# Altium PCB PCB3.PcbDoc (part 1 of 5)
Units mil, origin at the board's own origin, x right, y up, seen from the top; angles counter-clockwise.
Board outline 9836.17 x 5490 mil, 4 copper layers (Top Layer, Int1 (GND), Int2 (PWR), Bottom Layer), stack 53.912 mil thick; 236 components, 108 nets, 2793 pads, 569 vias.
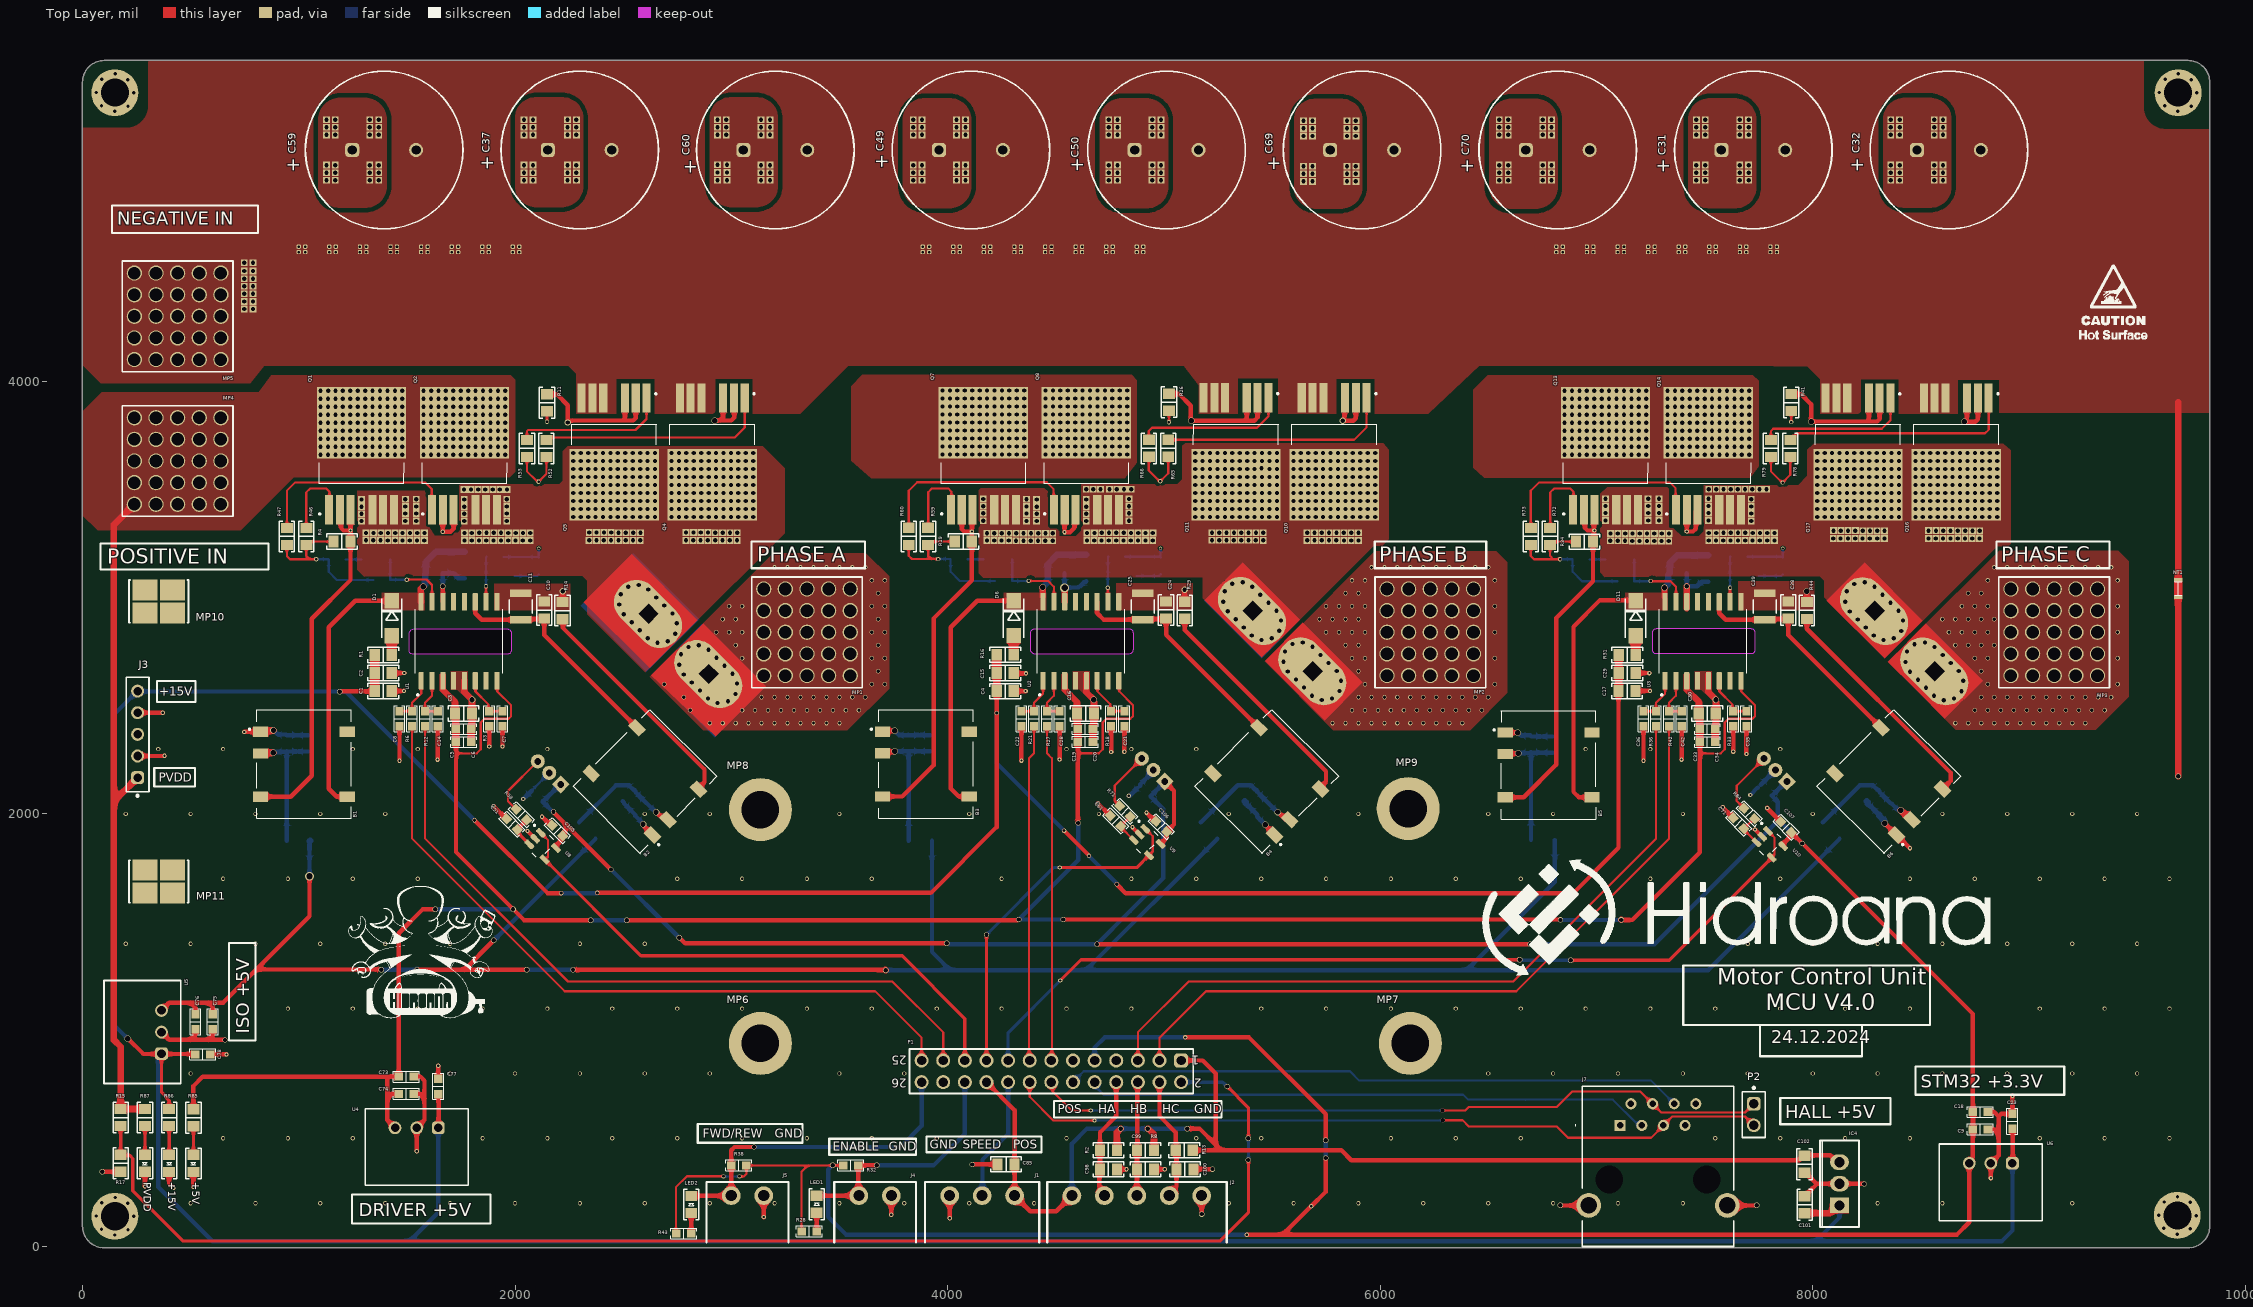
[diagram p0: Top Layer view]
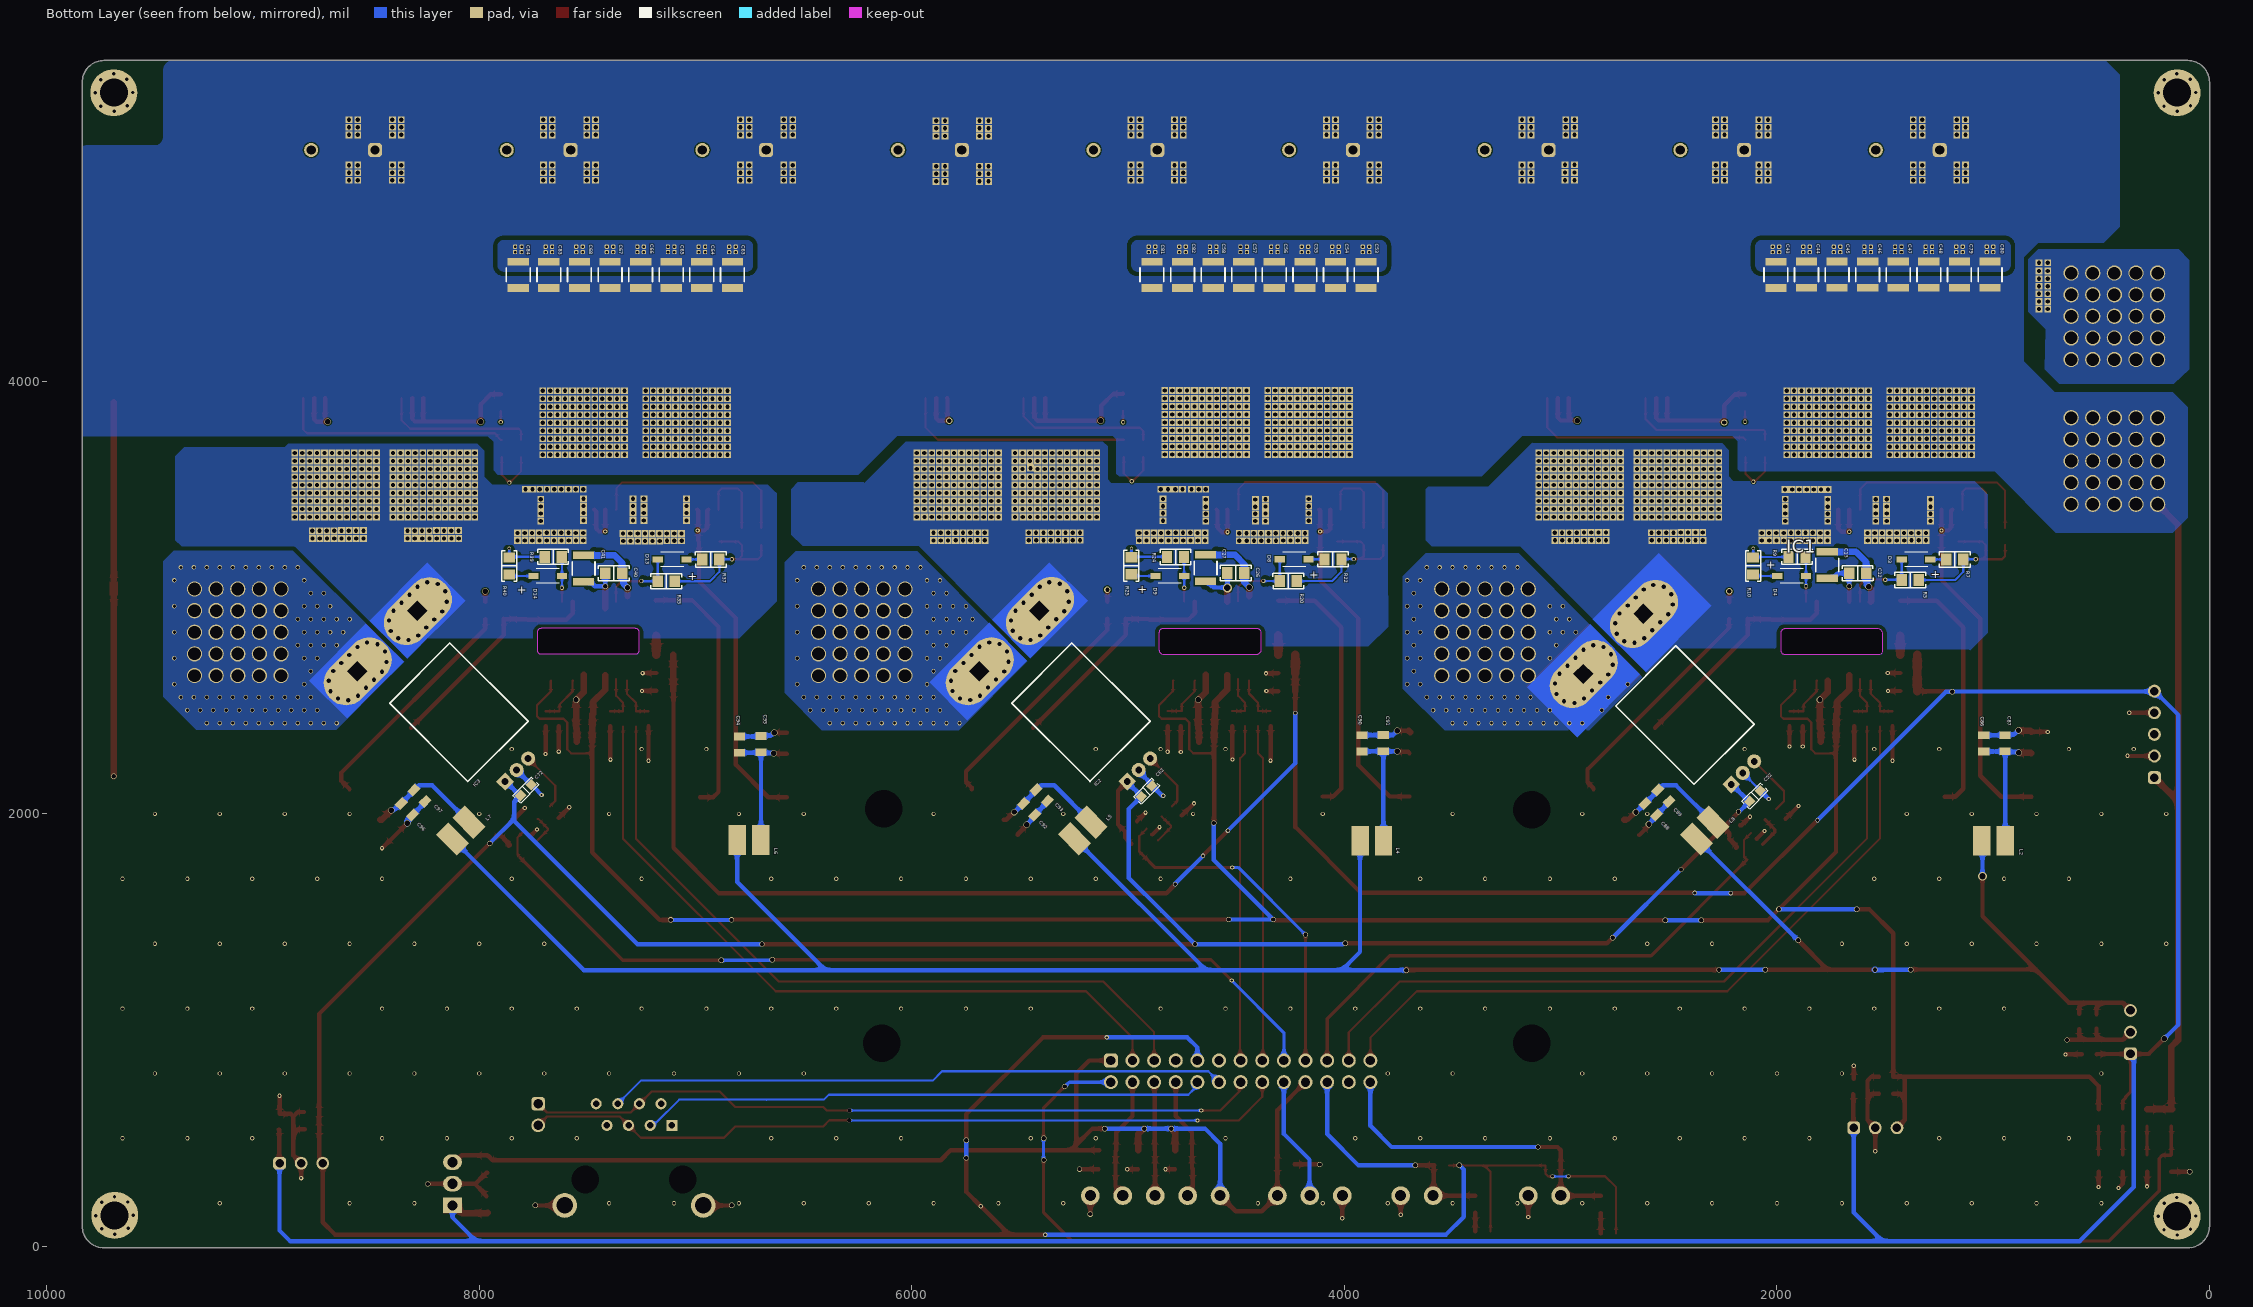
[diagram p1: Bottom Layer view, seen from below]
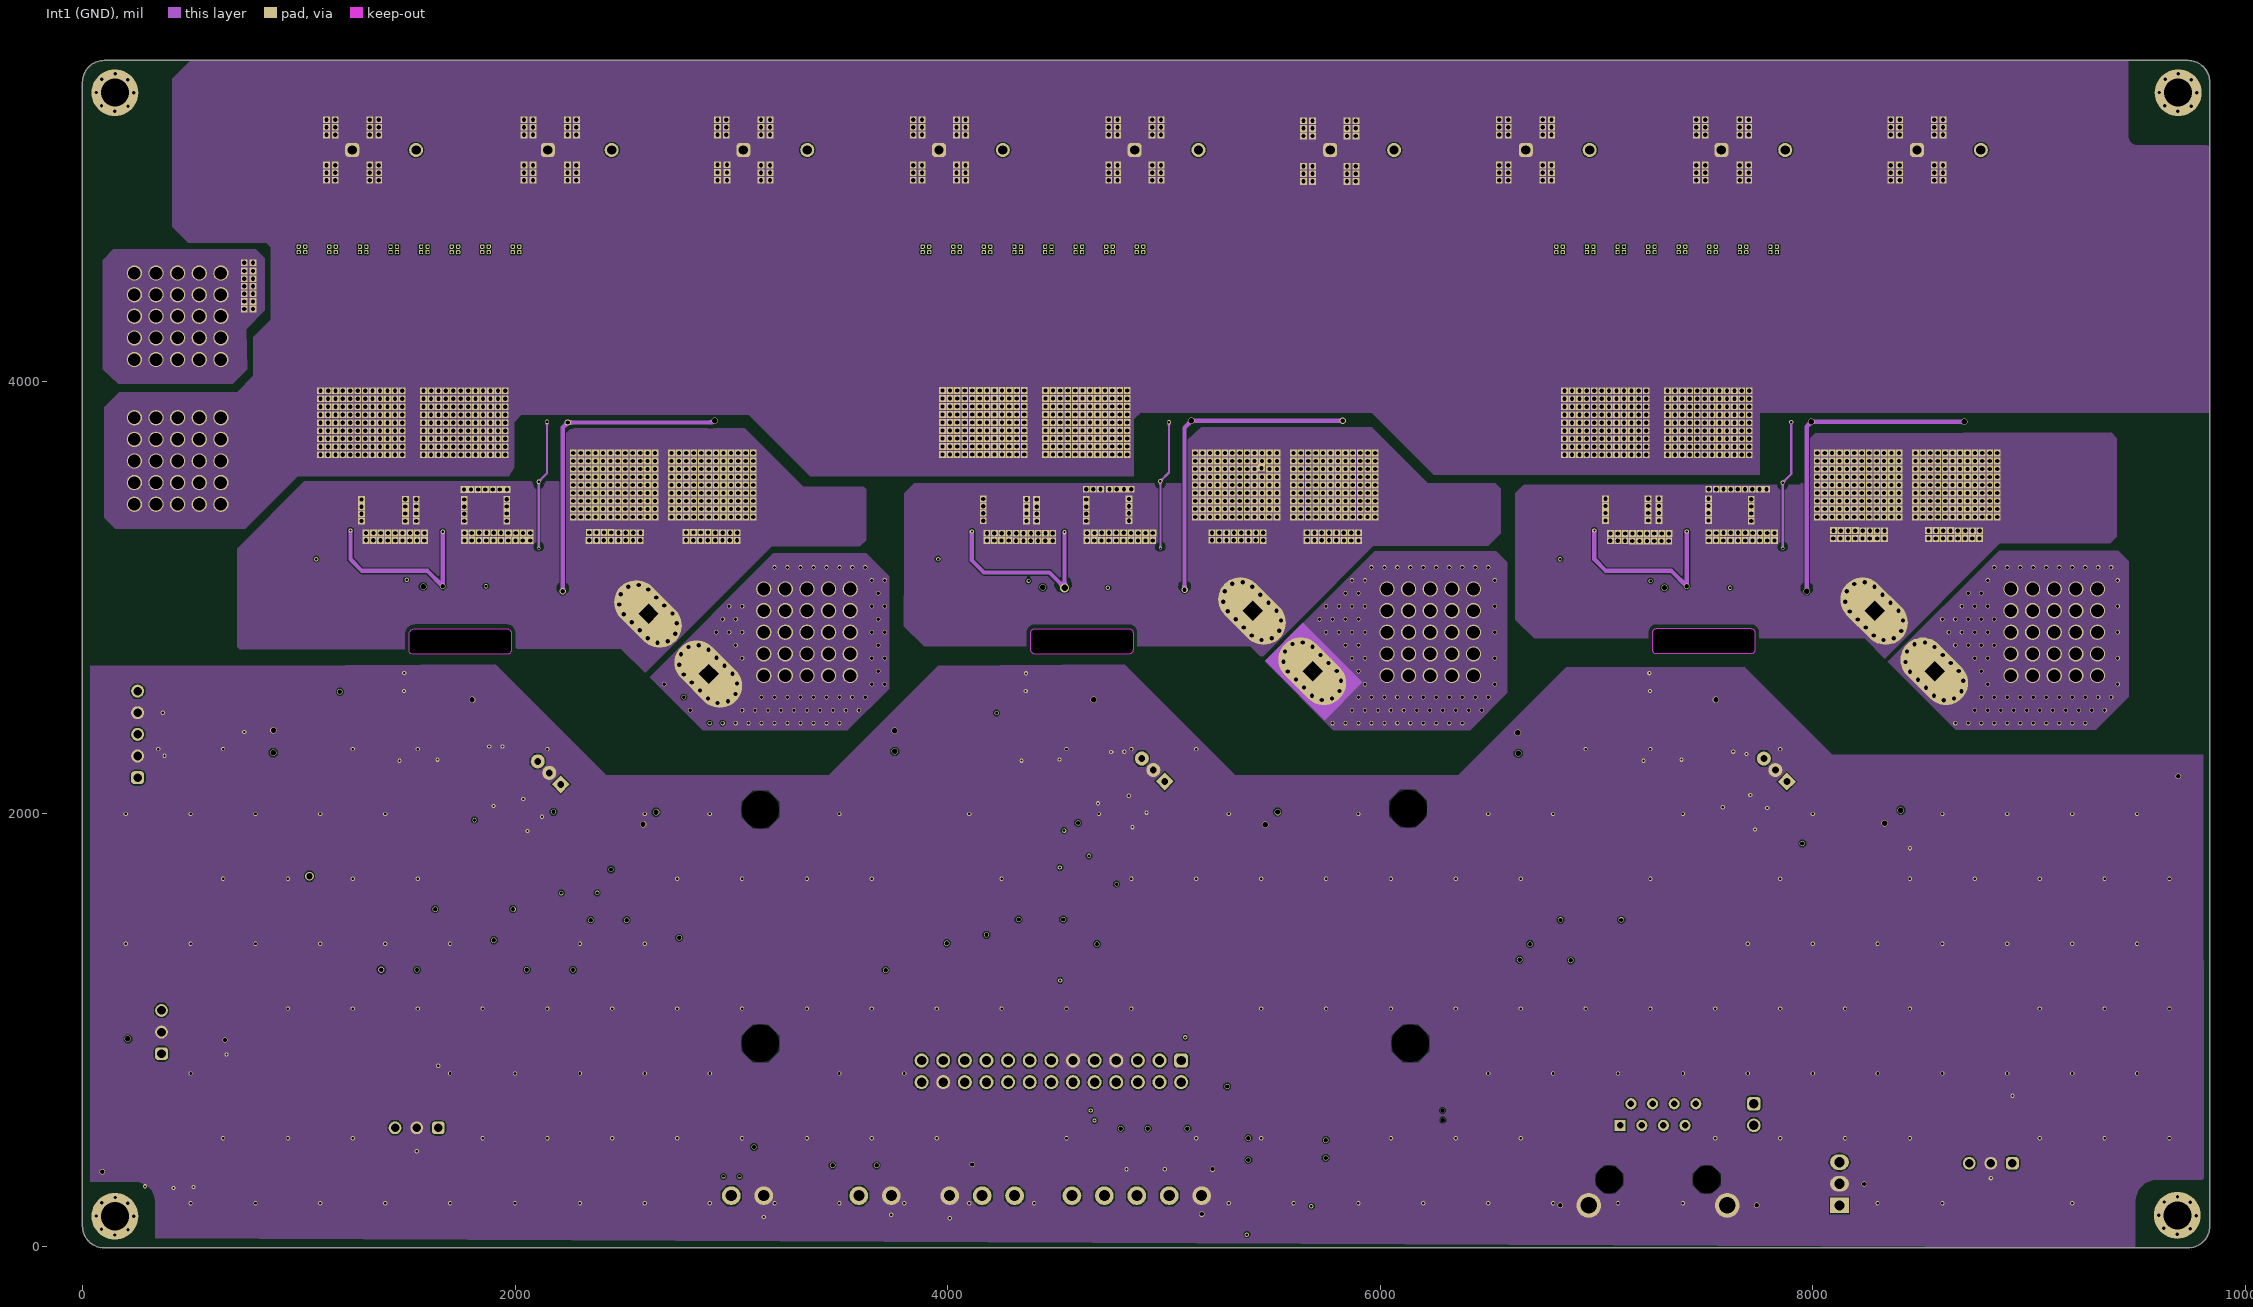
[diagram p2: Int1 (GND)]
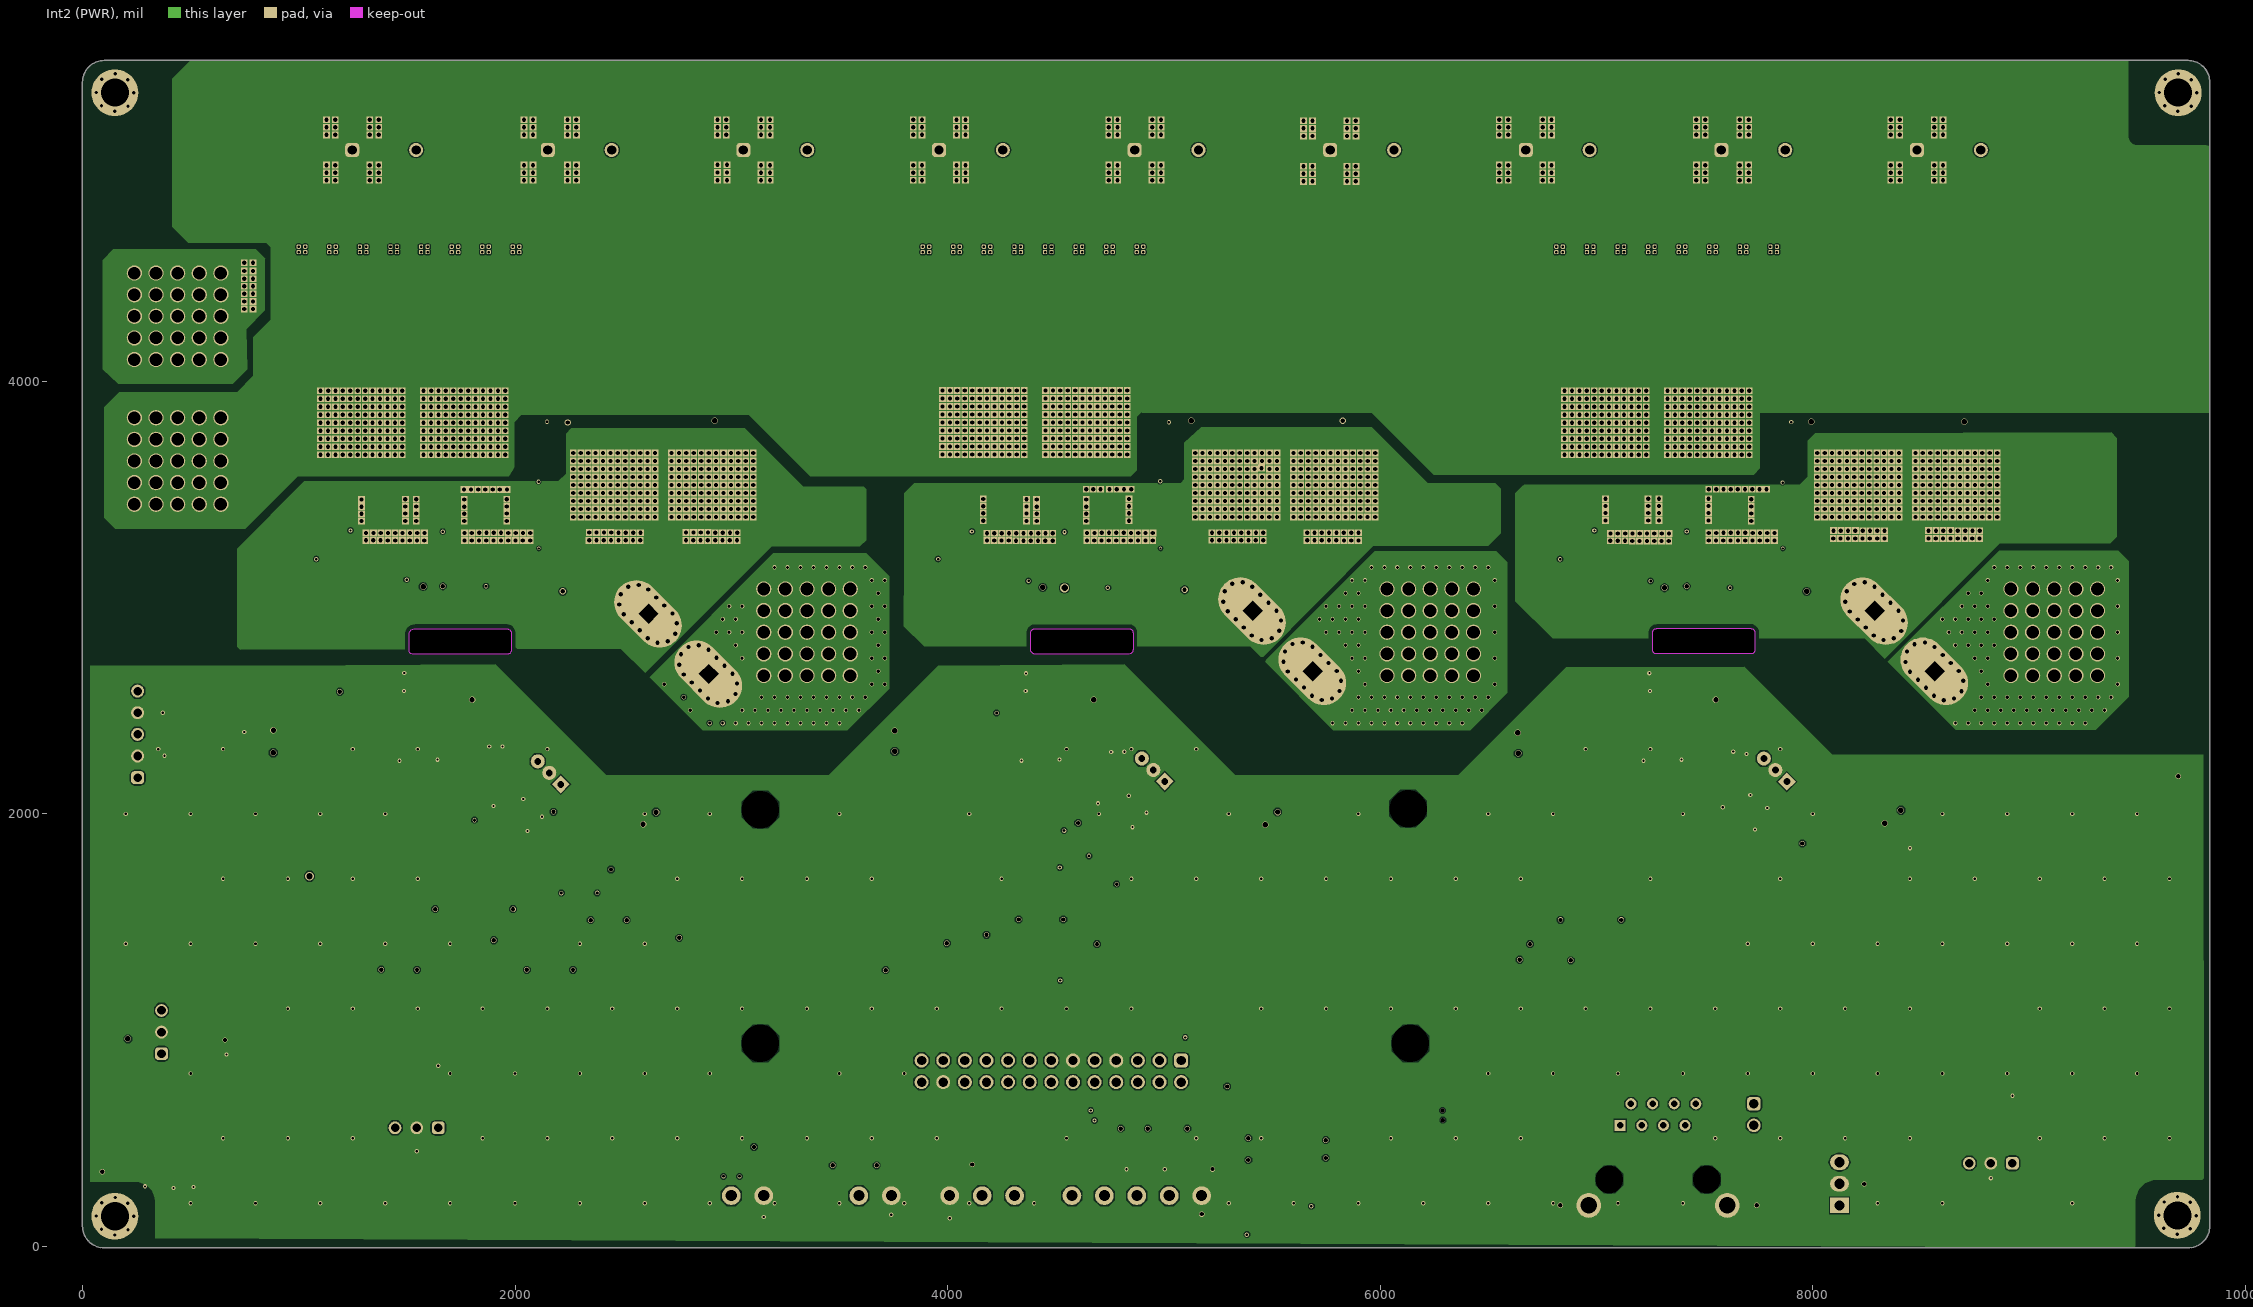
[diagram p3: Int2 (PWR)]
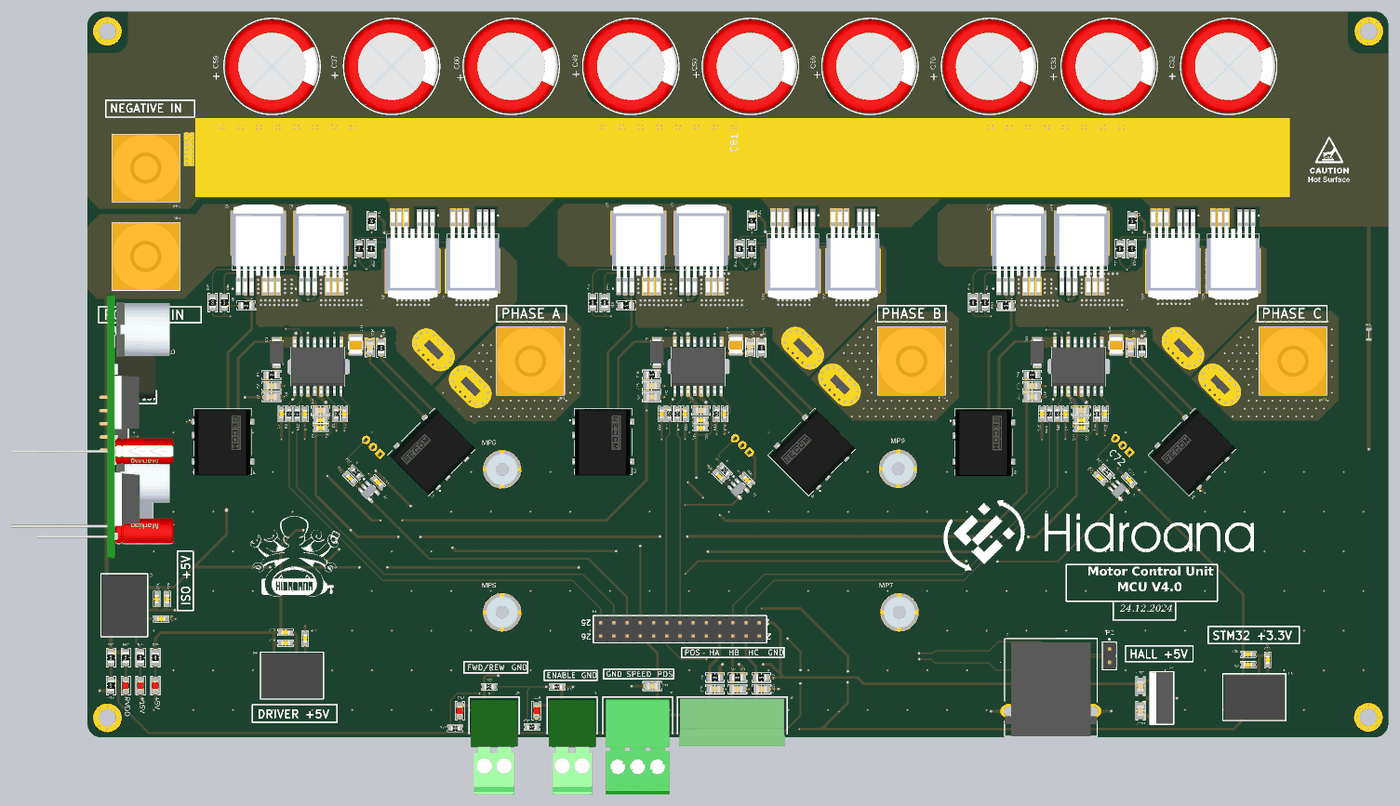
[diagram p8: 3D render of the assembled board from above, using the file's embedded part models]
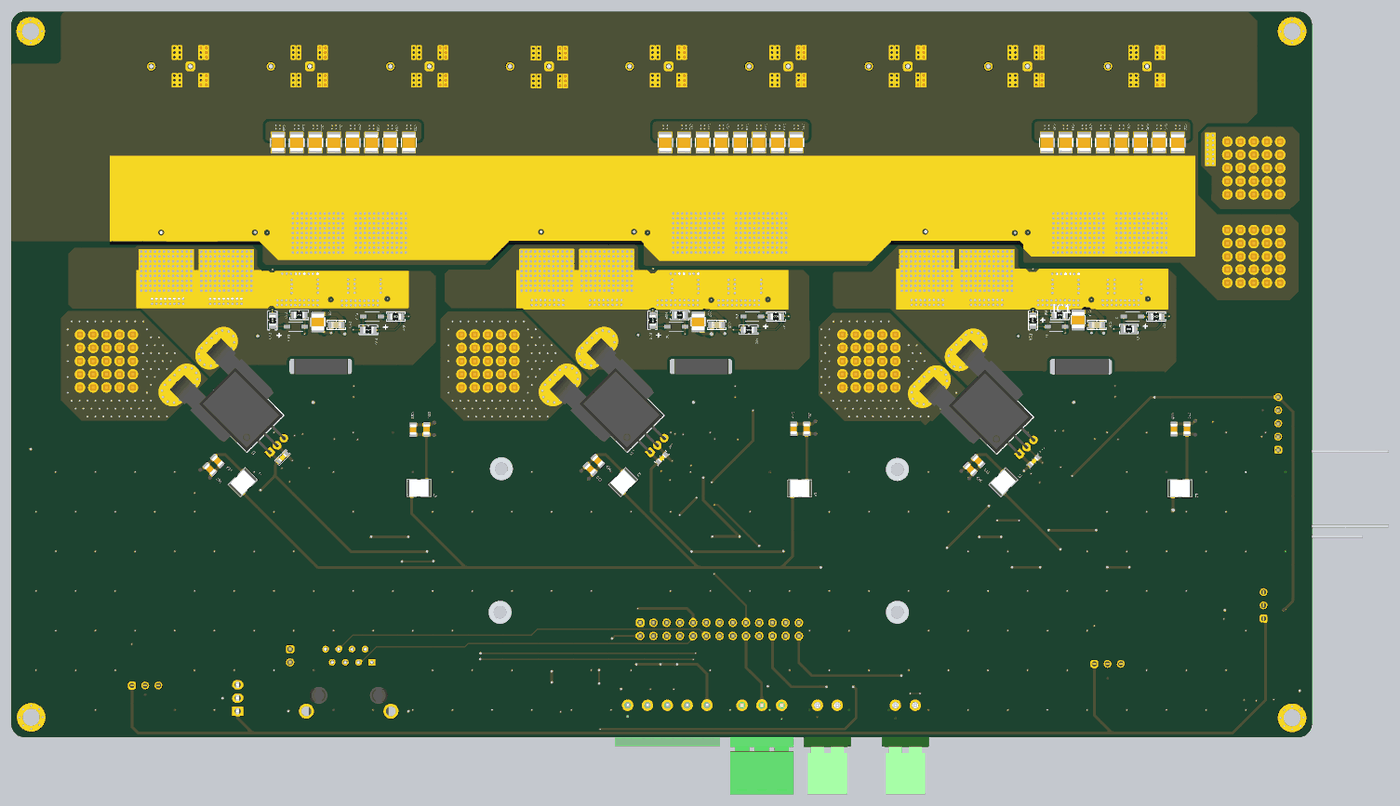
[diagram p9: 3D render of the assembled board from below, using the file's embedded part models]

## Layer stack, top to bottom
Top Solder: solder mask 1, SM-001, Dk 4
Top Layer: signal copper 1.378
Dielectric 1: prepreg 5.1, PP-017, Dk 4.3
Dielectric 2: prepreg 5.1, PP-017, Dk 4.3
Int1 (GND): signal copper 1.378
Dielectric 3: core 28, Core-039, Dk 4.8
Int2 (PWR): signal copper 1.378
Dielectric 4: prepreg 5.1, PP-017, Dk 4.3
Dielectric 5: prepreg 5.1, PP-017, Dk 4.3
Bottom Layer: signal copper 1.378
Bottom Solder: solder mask 1, SM-001, Dk 4

## Board outline
0,94 0,5384 cw(c100,5384) 100,5484 9736.17,5484 cw(c9736.17,5384) 9836.17,5384 9836.17,94 cw(c9736.17,94) 9736.17,-6 100,-6 cw(c100,94)
cut-out: 1536,2856 1963,2856 cw(c1963,2836) 1983,2836 1983,2758 cw(c1963,2758) 1963,2738 1530,2738 cw(c1530,2758) 1510,2758 1510,2830 cw(c1536,2830)
cut-out: 4384.7,2837.3 cw(c4404.7,2837.3) 4404.7,2857.3 4837.7,2857.3 cw(c4837.7,2837.3) 4857.7,2837.3 4857.7,2759.3 cw(c4837.7,2759.3) 4837.7,2739.3 4404.7,2739.3 cw(c4404.7,2759.3) 4384.7,2759.3
cut-out: 7713.13,2857.6 cw(c7713.13,2837.6) 7733.13,2837.6 7733.13,2759.6 cw(c7713.13,2759.6) 7713.13,2739.6 7280.13,2739.6 cw(c7280.13,2759.6) 7260.13,2759.6 7260.13,2837.6 cw(c7280.13,2837.6) 7280.13,2857.6 7280.36,2857.6
